# Altium PCB PCB.PcbDoc (part 6 of 11)
Units mm, origin at the board's own origin, x right, y up, seen from the top; angles counter-clockwise.
Board outline 134.62 x 134.62 mm, 2 copper layers (Top Layer, Bottom Layer); 223 components, 326 nets, 5222 pads, 379 vias.
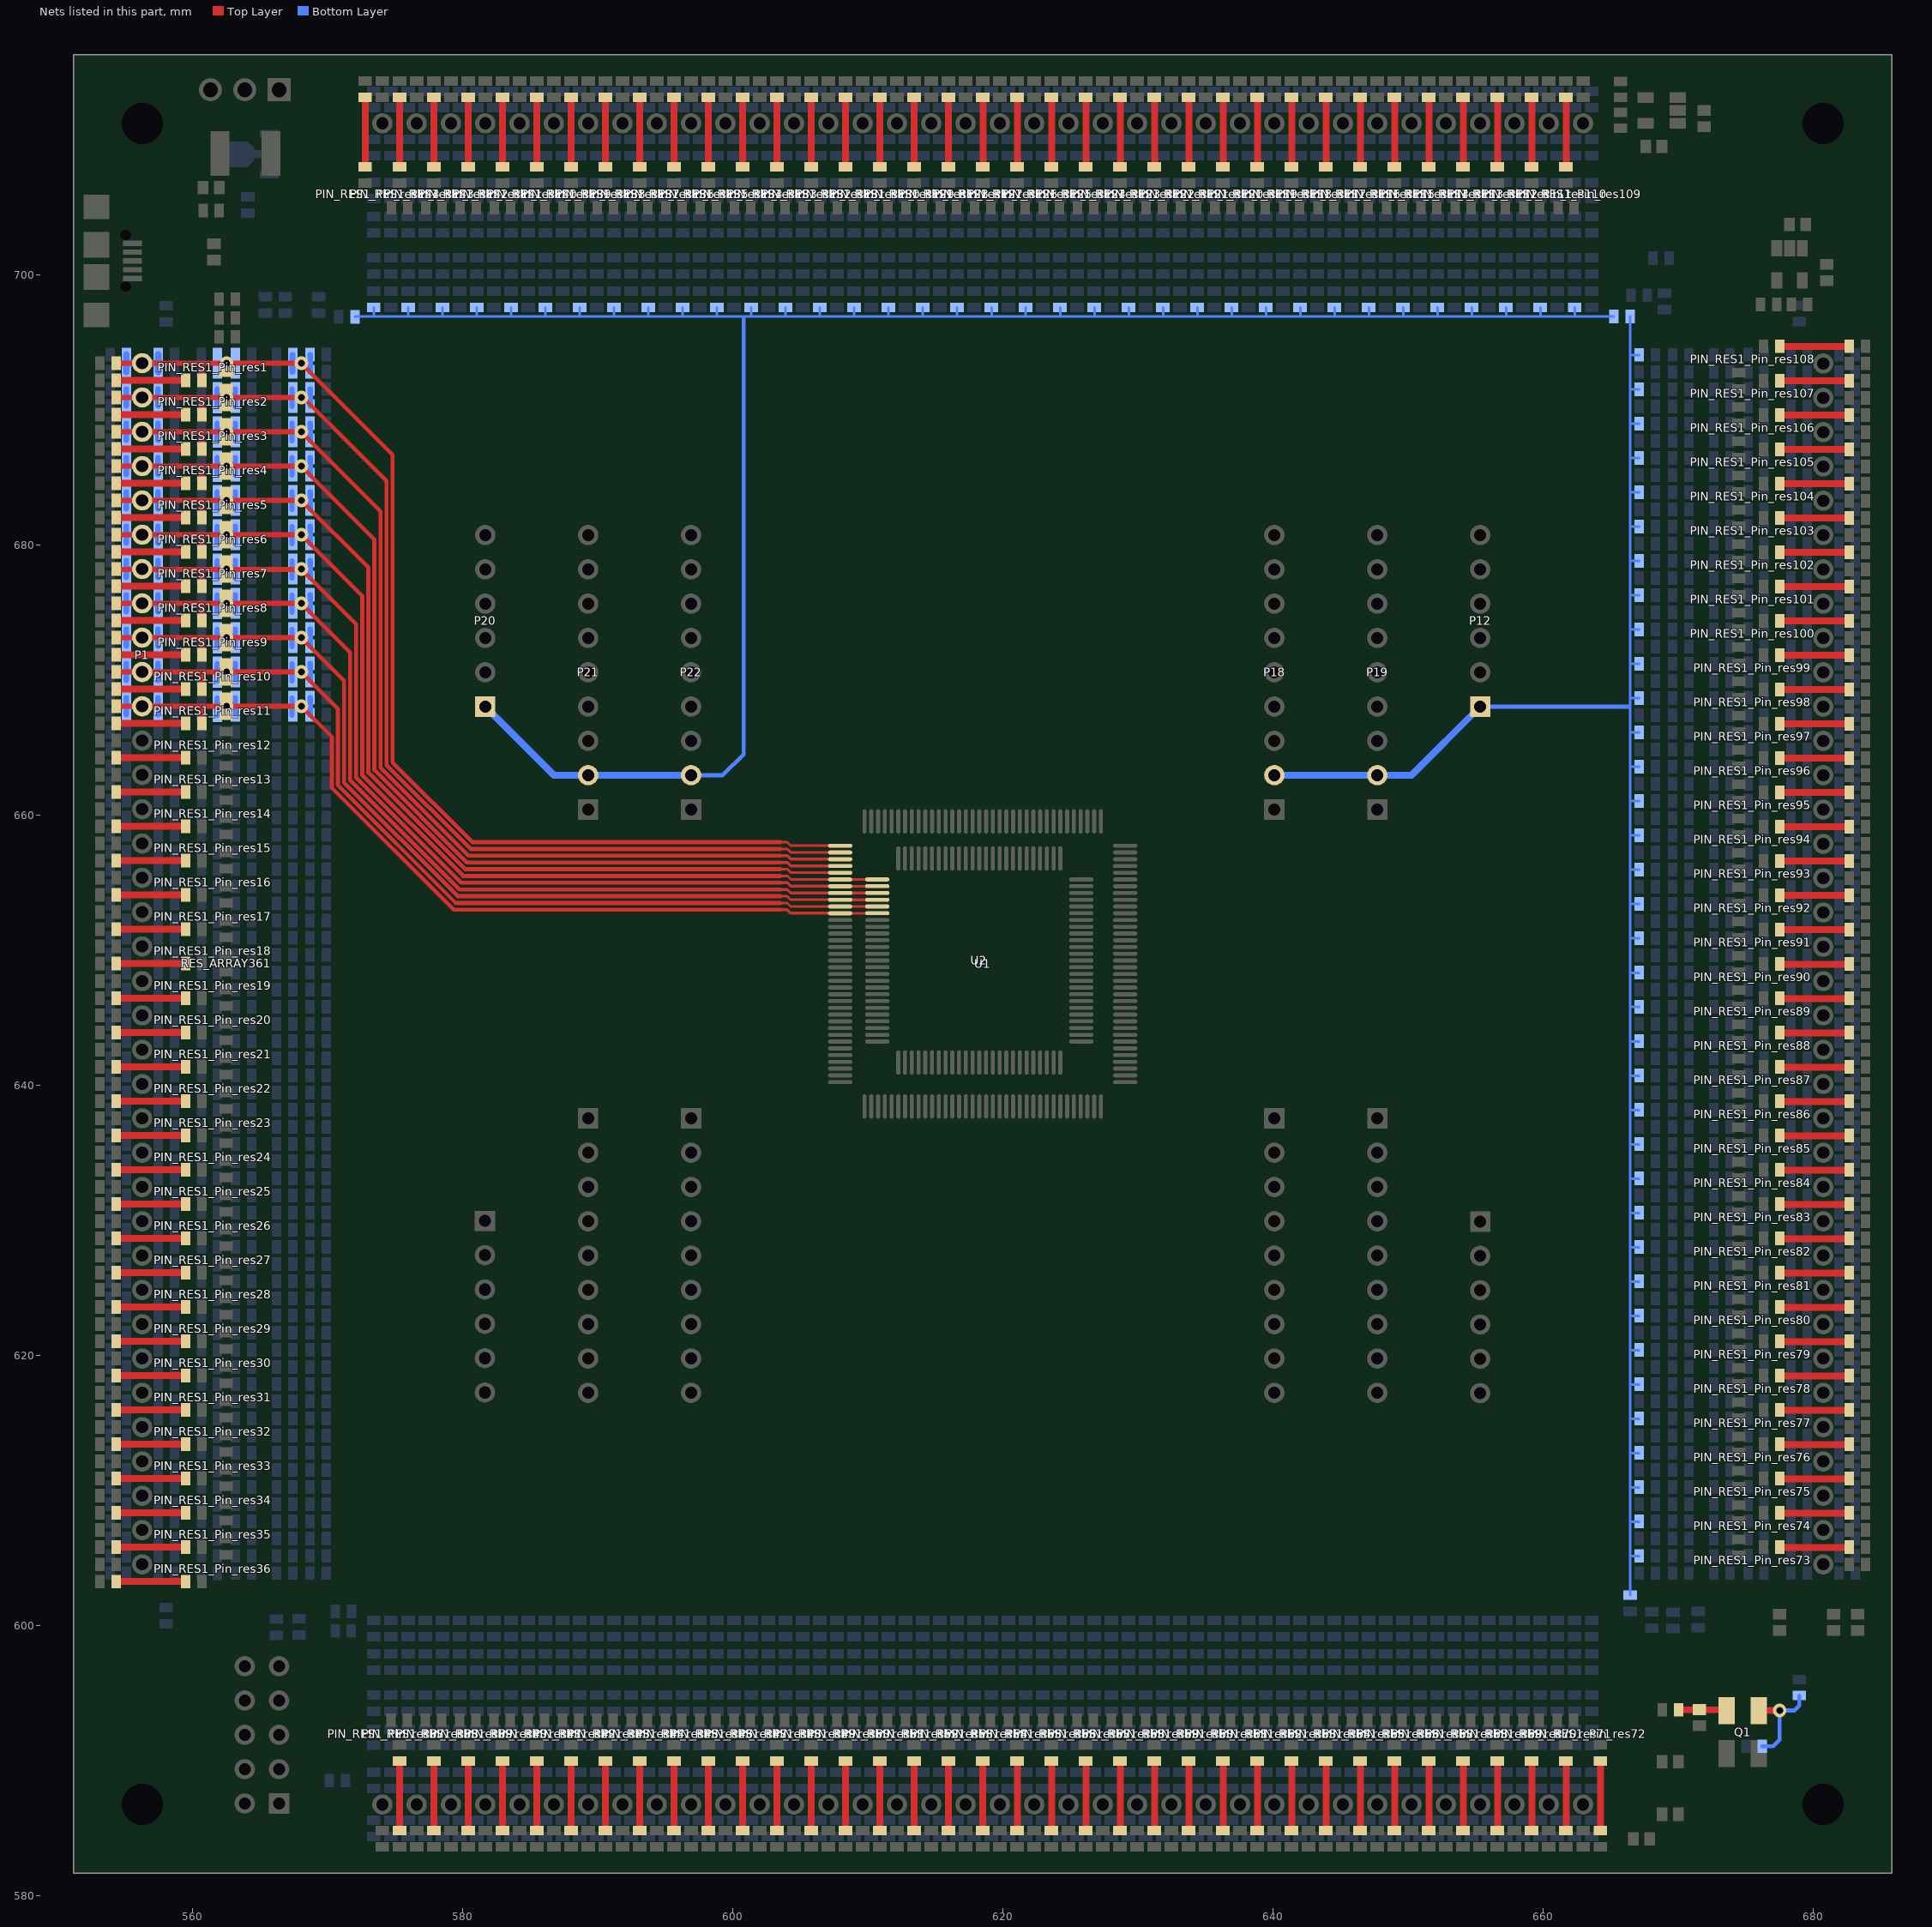
[diagram p6: the nets of this part, all layers, seen from the top]

## Via types
v1: diameter 1, hole 0.5, Top Layer to Bottom Layer, 322 vias
v2: diameter 1, hole 0.5, Top Layer to Bottom Layer, tented both sides, 57 vias

## Nets (pads, with @x,y where several pads share a name; then routed paths per layer and width w, separated by ;. In a path a pad name is that pad's centre, name@x,y a point inside that pad or via, vN(x,y) a via of type N, cw(c..) or ccw(c..) an arc to the next point about the centre after c; other vN are vias at no path point) (continued)
IO9_2: P12.1 P18.2 P19.2 PIN_RES1_Pin_res73.13 PIN_RES1_Pin_res74.13 PIN_RES1_Pin_res75.13 PIN_RES1_Pin_res76.13 PIN_RES1_Pin_res77.13 PIN_RES1_Pin_res78.13 PIN_RES1_Pin_res79.13 PIN_RES1_Pin_res80.13 PIN_RES1_Pin_res81.13 PIN_RES1_Pin_res82.13 PIN_RES1_Pin_res83.13 PIN_RES1_Pin_res84.13 PIN_RES1_Pin_res85.13 PIN_RES1_Pin_res86.13 PIN_RES1_Pin_res87.13 PIN_RES1_Pin_res88.13 PIN_RES1_Pin_res89.13 PIN_RES1_Pin_res90.13 PIN_RES1_Pin_res91.13 PIN_RES1_Pin_res92.13 PIN_RES1_Pin_res93.13 PIN_RES1_Pin_res94.13 PIN_RES1_Pin_res95.13 PIN_RES1_Pin_res96.13 PIN_RES1_Pin_res97.13 PIN_RES1_Pin_res98.13 PIN_RES1_Pin_res99.13 PIN_RES1_Pin_res100.13 PIN_RES1_Pin_res101.13 PIN_RES1_Pin_res102.13 PIN_RES1_Pin_res103.13 PIN_RES1_Pin_res104.13 PIN_RES1_Pin_res105.13 PIN_RES1_Pin_res106.13 PIN_RES1_Pin_res107.13 PIN_RES1_Pin_res108.13 R13.1 R20.1 | length 147.3
  Bottom Layer w0.2: R20.1@666.41,696.9 666.42,696.89 666.42,694.055 ; R13.1@666.42,602.25 666.42,605.13 ; PIN_RES1_Pin_res73.13@667.09,605.13 666.42,605.13 ; PIN_RES1_Pin_res74.13@667.09,607.67 666.42,607.67 ; PIN_RES1_Pin_res75.13@667.09,610.21 666.445,610.21 666.42,610.184 ; PIN_RES1_Pin_res76.13@667.09,612.75 666.42,612.75 ; PIN_RES1_Pin_res77.13@667.09,615.29 666.445,615.29 666.42,615.264 ; PIN_RES1_Pin_res78.13@667.09,617.83 666.42,617.83 ; PIN_RES1_Pin_res79.13@667.09,620.37 666.42,620.37 ; PIN_RES1_Pin_res80.13@667.09,622.91 666.42,622.91 ; PIN_RES1_Pin_res81.13@667.09,625.45 666.42,625.45 ; PIN_RES1_Pin_res82.13@667.09,627.99 666.42,627.99 ; PIN_RES1_Pin_res83.13@667.09,630.53 666.445,630.53 666.42,630.555 ; PIN_RES1_Pin_res84.13@667.09,633.07 666.42,633.07 ; PIN_RES1_Pin_res85.13@667.09,635.61 666.445,635.61 666.42,635.635 ; PIN_RES1_Pin_res86.13@667.09,638.15 666.42,638.15 ; PIN_RES1_Pin_res87.13@667.09,640.69 666.42,640.69 ; PIN_RES1_Pin_res88.13@667.09,643.23 666.445,643.23 666.42,643.204 ; PIN_RES1_Pin_res89.13@667.09,645.77 667.064,645.795 666.42,645.795 ; PIN_RES1_Pin_res90.13@667.09,648.31 666.42,648.31 ; PIN_RES1_Pin_res91.13@667.09,650.875 666.42,650.875 ; PIN_RES1_Pin_res92.13@667.09,653.415 666.42,653.415 ; PIN_RES1_Pin_res93.13@667.09,655.955 666.42,655.955 ; PIN_RES1_Pin_res94.13@667.09,658.495 666.42,658.495 ; PIN_RES1_Pin_res95.13@667.09,661.035 666.42,661.035 ; PIN_RES1_Pin_res96.13@667.09,663.575 666.42,663.575 ; PIN_RES1_Pin_res97.13@667.09,666.115 666.42,666.115 ; PIN_RES1_Pin_res98.13@667.09,668.655 666.42,668.655 ; PIN_RES1_Pin_res99.13@667.09,671.195 666.42,671.195 ; PIN_RES1_Pin_res100.13@667.09,673.735 666.42,673.735 ; PIN_RES1_Pin_res101.13@667.09,676.275 666.445,676.275 666.42,676.25 ; PIN_RES1_Pin_res102.13@667.09,678.815 666.42,678.815 ; PIN_RES1_Pin_res103.13@667.09,681.355 666.42,681.355 ; PIN_RES1_Pin_res104.13@667.09,683.895 666.42,683.895 ; PIN_RES1_Pin_res105.13@667.09,686.435 666.445,686.435 666.42,686.41 ; PIN_RES1_Pin_res106.13@667.09,688.975 666.42,688.975 ; PIN_RES1_Pin_res107.13@667.09,691.515 666.42,691.515 ; PIN_RES1_Pin_res108.13@667.09,694.055 666.42,694.055 ; 666.42,605.13 666.42,607.67 ; 666.42,607.67 666.42,610.184 ; 666.42,610.184 666.42,612.75 ; 666.42,612.75 666.42,615.264 ; 666.42,615.264 666.42,617.83 ; 666.42,617.83 666.42,620.37 ; 666.42,620.37 666.42,622.91 ; 666.42,622.91 666.42,625.45 ; 666.42,625.45 666.42,627.99 ; 666.42,627.99 666.42,630.555 ; 666.42,630.555 666.42,633.07 ; 666.42,633.07 666.42,635.635 ; 666.42,635.635 666.42,638.15 ; 666.42,638.15 666.42,640.69 ; 666.42,640.69 666.42,643.204 ; 666.42,643.204 666.42,645.795 ; 666.42,645.795 666.42,648.31 ; 666.42,648.31 666.42,650.875 ; 666.42,650.875 666.42,653.415 ; 666.42,653.415 666.42,655.955 ; 666.42,655.955 666.42,658.495 ; 666.42,658.495 666.42,661.035 ; 666.42,661.035 666.42,663.575 ; 666.42,663.575 666.42,666.115 ; 666.42,666.115 666.42,668.655 ; 666.42,668.655 666.42,671.195 ; 666.42,671.195 666.42,673.735 ; 666.42,673.735 666.42,676.25 ; 666.42,676.25 666.42,678.815 ; 666.42,678.815 666.42,681.355 ; 666.42,681.355 666.42,683.895 ; 666.42,683.895 666.42,686.41 ; 666.42,686.41 666.42,688.975 ; 666.42,688.975 666.42,691.515 ; 666.42,691.515 666.42,694.055
  Bottom Layer w0.3: P12.1@655.32,668.02 666.318,668.02
  Bottom Layer w0.5: P18.2@640.08,662.94 P19.2@647.7,662.94 650.24,662.94 655.295,667.995 655.295,668.045 P12.1@655.32,668.02
IO9_3: P20.1 P21.2 P22.2 PIN_RES1_Pin_res109.13 PIN_RES1_Pin_res110.13 PIN_RES1_Pin_res111.13 PIN_RES1_Pin_res112.13 PIN_RES1_Pin_res113.13 PIN_RES1_Pin_res114.13 PIN_RES1_Pin_res115.13 PIN_RES1_Pin_res116.13 PIN_RES1_Pin_res117.13 PIN_RES1_Pin_res118.13 PIN_RES1_Pin_res119.13 PIN_RES1_Pin_res120.13 PIN_RES1_Pin_res121.13 PIN_RES1_Pin_res122.13 PIN_RES1_Pin_res123.13 PIN_RES1_Pin_res124.13 PIN_RES1_Pin_res125.13 PIN_RES1_Pin_res126.13 PIN_RES1_Pin_res127.13 PIN_RES1_Pin_res128.13 PIN_RES1_Pin_res129.13 PIN_RES1_Pin_res130.13 PIN_RES1_Pin_res131.13 PIN_RES1_Pin_res132.13 PIN_RES1_Pin_res133.13 PIN_RES1_Pin_res134.13 PIN_RES1_Pin_res135.13 PIN_RES1_Pin_res136.13 PIN_RES1_Pin_res137.13 PIN_RES1_Pin_res138.13 PIN_RES1_Pin_res139.13 PIN_RES1_Pin_res140.13 PIN_RES1_Pin_res141.13 PIN_RES1_Pin_res142.13 PIN_RES1_Pin_res143.13 PIN_RES1_Pin_res144.13 R20.2 R21.2 | length 171.6
  Bottom Layer w0.2: R21.2@572.024,696.874 572.049,696.9 573.405,696.9 ; PIN_RES1_Pin_res144.13@573.405,697.57 573.405,696.9 ; PIN_RES1_Pin_res143.13@575.945,697.57 575.945,696.9 ; PIN_RES1_Pin_res142.13@578.485,697.57 578.485,696.9 ; PIN_RES1_Pin_res141.13@581.025,697.57 581.025,696.925 581.05,696.9 ; PIN_RES1_Pin_res140.13@583.565,697.57 583.565,696.9 ; PIN_RES1_Pin_res139.13@586.105,697.57 586.105,696.9 ; PIN_RES1_Pin_res138.13@588.645,697.57 588.645,696.9 ; PIN_RES1_Pin_res137.13@591.185,697.57 591.185,696.925 591.21,696.9 ; PIN_RES1_Pin_res136.13@593.725,697.57 593.725,696.9 ; PIN_RES1_Pin_res135.13@596.265,697.57 596.265,696.9 ; PIN_RES1_Pin_res134.13@598.805,697.57 598.805,696.9 ; PIN_RES1_Pin_res133.13@601.345,697.57 601.345,696.9 ; PIN_RES1_Pin_res132.13@603.885,697.57 603.885,696.9 ; PIN_RES1_Pin_res131.13@606.425,697.57 606.425,696.9 ; PIN_RES1_Pin_res130.13@608.965,697.57 608.965,696.9 ; PIN_RES1_Pin_res129.13@611.505,697.57 611.505,696.9 ; PIN_RES1_Pin_res128.13@614.045,697.57 614.045,696.9 ; PIN_RES1_Pin_res127.13@616.585,697.57 616.585,696.9 ; PIN_RES1_Pin_res126.13@619.15,697.57 619.15,696.9 ; PIN_RES1_Pin_res125.13@621.69,697.57 621.665,697.544 621.665,696.9 ; PIN_RES1_Pin_res124.13@624.23,697.57 624.23,696.925 624.256,696.9 ; PIN_RES1_Pin_res123.13@626.77,697.57 626.77,696.9 ; PIN_RES1_Pin_res122.13@629.31,697.57 629.31,696.9 ; PIN_RES1_Pin_res121.13@631.85,697.57 631.85,696.925 631.825,696.9 ; PIN_RES1_Pin_res120.13@634.39,697.57 634.39,696.9 ; PIN_RES1_Pin_res119.13@636.93,697.57 636.93,696.925 636.905,696.9 ; PIN_RES1_Pin_res118.13@639.47,697.57 639.47,696.9 ; PIN_RES1_Pin_res117.13@642.01,697.57 642.01,696.9 ; PIN_RES1_Pin_res116.13@644.55,697.57 644.55,696.9 ; PIN_RES1_Pin_res115.13@647.09,697.57 647.09,696.9 ; PIN_RES1_Pin_res114.13@649.63,697.57 649.63,696.9 ; PIN_RES1_Pin_res113.13@652.17,697.57 652.17,696.925 652.196,696.9 ; PIN_RES1_Pin_res112.13@654.71,697.57 654.71,696.9 ; PIN_RES1_Pin_res111.13@657.25,697.57 657.25,696.925 657.276,696.9 ; PIN_RES1_Pin_res110.13@659.79,697.57 659.79,696.9 ; PIN_RES1_Pin_res109.13@662.33,697.57 662.33,696.9 ; R20.2@665.21,696.9 662.33,696.9 ; 573.405,696.9 575.945,696.9 ; 575.945,696.9 578.485,696.9 ; 578.485,696.9 581.05,696.9 ; 581.05,696.9 583.565,696.9 ; 583.565,696.9 586.105,696.9 ; 586.105,696.9 588.645,696.9 ; 588.645,696.9 591.21,696.9 ; 591.21,696.9 593.725,696.9 ; 593.725,696.9 596.265,696.9 ; 596.265,696.9 598.805,696.9 ; 598.805,696.9 601.345,696.9 ; 601.345,696.9 603.885,696.9 ; 603.885,696.9 606.425,696.9 ; 606.425,696.9 608.965,696.9 ; 608.965,696.9 611.505,696.9 ; 611.505,696.9 614.045,696.9 ; 614.045,696.9 616.585,696.9 ; 616.585,696.9 619.15,696.9 ; 619.15,696.9 621.665,696.9 ; 621.665,696.9 624.256,696.9 ; 624.256,696.9 626.77,696.9 ; 626.77,696.9 629.31,696.9 ; 629.31,696.9 631.825,696.9 ; 631.825,696.9 634.39,696.9 ; 634.39,696.9 636.905,696.9 ; 636.905,696.9 639.47,696.9 ; 639.47,696.9 642.01,696.9 ; 642.01,696.9 644.55,696.9 ; 644.55,696.9 647.09,696.9 ; 647.09,696.9 649.63,696.9 ; 649.63,696.9 652.196,696.9 ; 652.196,696.9 654.71,696.9 ; 654.71,696.9 657.276,696.9 ; 657.276,696.9 659.79,696.9 ; 659.79,696.9 662.33,696.9
  Bottom Layer w0.3: P22.2@596.9,662.94 599.237,662.94 600.786,664.489 600.786,696.798
  Bottom Layer w0.5: P20.1@581.66,668.02 586.74,662.94 P21.2@589.28,662.94 P22.2@596.9,662.94
NetC13_1: C13.1 Q1.4 R22.2 | length 3.6
  Top Layer w0.5: R22.2@670.017,593.75 673.506,593.75 Q1.4@673.557,593.699
NetPIN_RES1_Pin_res1_15: PIN_RES1_Pin_res1.15 | length 5.2
  Top Layer w0.5: PIN_RES1_Pin_res1.15@554.32,692.175 PIN_RES1_Pin_res1.15@559.47,692.175
NetPIN_RES1_Pin_res2_15: PIN_RES1_Pin_res2.15 | length 5.2
  Top Layer w0.5: PIN_RES1_Pin_res2.15@554.32,689.635 PIN_RES1_Pin_res2.15@559.47,689.635
NetPIN_RES1_Pin_res3_15: PIN_RES1_Pin_res3.15 | length 5.2
  Top Layer w0.5: PIN_RES1_Pin_res3.15@554.32,687.095 PIN_RES1_Pin_res3.15@559.47,687.095
NetPIN_RES1_Pin_res4_15: PIN_RES1_Pin_res4.15 | length 5.2
  Top Layer w0.5: PIN_RES1_Pin_res4.15@554.32,684.555 PIN_RES1_Pin_res4.15@559.47,684.555
NetPIN_RES1_Pin_res5_15: PIN_RES1_Pin_res5.15 | length 5.2
  Top Layer w0.5: PIN_RES1_Pin_res5.15@554.32,682.015 PIN_RES1_Pin_res5.15@559.47,682.015
NetPIN_RES1_Pin_res6_15: PIN_RES1_Pin_res6.15 | length 5.2
  Top Layer w0.5: PIN_RES1_Pin_res6.15@554.32,679.475 PIN_RES1_Pin_res6.15@559.47,679.475
NetPIN_RES1_Pin_res7_15: PIN_RES1_Pin_res7.15 | length 5.2
  Top Layer w0.5: PIN_RES1_Pin_res7.15@554.32,676.935 PIN_RES1_Pin_res7.15@559.47,676.935
NetPIN_RES1_Pin_res8_15: PIN_RES1_Pin_res8.15 | length 5.2
  Top Layer w0.5: PIN_RES1_Pin_res8.15@554.32,674.395 PIN_RES1_Pin_res8.15@559.47,674.395
NetPIN_RES1_Pin_res9_15: PIN_RES1_Pin_res9.15 | length 5.2
  Top Layer w0.5: PIN_RES1_Pin_res9.15@554.32,671.855 PIN_RES1_Pin_res9.15@559.47,671.855
NetPIN_RES1_Pin_res10_15: PIN_RES1_Pin_res10.15 | length 5.2
  Top Layer w0.5: PIN_RES1_Pin_res10.15@554.32,669.315 PIN_RES1_Pin_res10.15@559.47,669.315
NetPIN_RES1_Pin_res11_15: PIN_RES1_Pin_res11.15 | length 5.2
  Top Layer w0.5: PIN_RES1_Pin_res11.15@554.32,666.775 PIN_RES1_Pin_res11.15@559.47,666.775
NetPIN_RES1_Pin_res12_15: PIN_RES1_Pin_res12.15 | length 5.2
  Top Layer w0.5: PIN_RES1_Pin_res12.15@554.32,664.235 PIN_RES1_Pin_res12.15@559.47,664.235
NetPIN_RES1_Pin_res13_15: PIN_RES1_Pin_res13.15 | length 5.2
  Top Layer w0.5: PIN_RES1_Pin_res13.15@554.32,661.695 PIN_RES1_Pin_res13.15@559.47,661.695
NetPIN_RES1_Pin_res14_15: PIN_RES1_Pin_res14.15 | length 5.2
  Top Layer w0.5: PIN_RES1_Pin_res14.15@554.32,659.155 PIN_RES1_Pin_res14.15@559.47,659.155
NetPIN_RES1_Pin_res15_15: PIN_RES1_Pin_res15.15 | length 5.2
  Top Layer w0.5: PIN_RES1_Pin_res15.15@554.32,656.615 PIN_RES1_Pin_res15.15@559.47,656.615
NetPIN_RES1_Pin_res16_15: PIN_RES1_Pin_res16.15 | length 5.2
  Top Layer w0.5: PIN_RES1_Pin_res16.15@554.32,654.075 PIN_RES1_Pin_res16.15@559.47,654.075
NetPIN_RES1_Pin_res17_15: PIN_RES1_Pin_res17.15 | length 5.2
  Top Layer w0.5: PIN_RES1_Pin_res17.15@554.32,651.535 PIN_RES1_Pin_res17.15@559.47,651.535
NetPIN_RES1_Pin_res18_15: PIN_RES1_Pin_res18.15 | length 5.2
  Top Layer w0.5: PIN_RES1_Pin_res18.15@554.32,648.995 PIN_RES1_Pin_res18.15@559.47,648.995
NetPIN_RES1_Pin_res19_15: PIN_RES1_Pin_res19.15 | length 5.2
  Top Layer w0.5: PIN_RES1_Pin_res19.15@554.32,646.43 PIN_RES1_Pin_res19.15@559.47,646.43
NetPIN_RES1_Pin_res20_15: PIN_RES1_Pin_res20.15 | length 5.2
  Top Layer w0.5: PIN_RES1_Pin_res20.15@554.32,643.89 PIN_RES1_Pin_res20.15@559.47,643.89
NetPIN_RES1_Pin_res21_15: PIN_RES1_Pin_res21.15 | length 5.2
  Top Layer w0.5: PIN_RES1_Pin_res21.15@554.32,641.35 PIN_RES1_Pin_res21.15@559.47,641.35
NetPIN_RES1_Pin_res22_15: PIN_RES1_Pin_res22.15 | length 5.2
  Top Layer w0.5: PIN_RES1_Pin_res22.15@554.32,638.81 PIN_RES1_Pin_res22.15@559.47,638.81
NetPIN_RES1_Pin_res23_15: PIN_RES1_Pin_res23.15 | length 5.2
  Top Layer w0.5: PIN_RES1_Pin_res23.15@554.32,636.27 PIN_RES1_Pin_res23.15@559.47,636.27
NetPIN_RES1_Pin_res24_15: PIN_RES1_Pin_res24.15 | length 5.2
  Top Layer w0.5: PIN_RES1_Pin_res24.15@554.32,633.73 PIN_RES1_Pin_res24.15@559.47,633.73
NetPIN_RES1_Pin_res25_15: PIN_RES1_Pin_res25.15 | length 5.2
  Top Layer w0.5: PIN_RES1_Pin_res25.15@554.32,631.19 PIN_RES1_Pin_res25.15@559.47,631.19
NetPIN_RES1_Pin_res26_15: PIN_RES1_Pin_res26.15 | length 5.2
  Top Layer w0.5: PIN_RES1_Pin_res26.15@554.32,628.65 PIN_RES1_Pin_res26.15@559.47,628.65
NetPIN_RES1_Pin_res27_15: PIN_RES1_Pin_res27.15 | length 5.2
  Top Layer w0.5: PIN_RES1_Pin_res27.15@554.32,626.11 PIN_RES1_Pin_res27.15@559.47,626.11
NetPIN_RES1_Pin_res28_15: PIN_RES1_Pin_res28.15 | length 5.2
  Top Layer w0.5: PIN_RES1_Pin_res28.15@554.32,623.57 PIN_RES1_Pin_res28.15@559.47,623.57
NetPIN_RES1_Pin_res29_15: PIN_RES1_Pin_res29.15 | length 5.2
  Top Layer w0.5: PIN_RES1_Pin_res29.15@554.32,621.03 PIN_RES1_Pin_res29.15@559.47,621.03
NetPIN_RES1_Pin_res30_15: PIN_RES1_Pin_res30.15 | length 5.2
  Top Layer w0.5: PIN_RES1_Pin_res30.15@554.32,618.49 PIN_RES1_Pin_res30.15@559.47,618.49
NetPIN_RES1_Pin_res31_15: PIN_RES1_Pin_res31.15 | length 5.2
  Top Layer w0.5: PIN_RES1_Pin_res31.15@554.32,615.95 PIN_RES1_Pin_res31.15@559.47,615.95
NetPIN_RES1_Pin_res32_15: PIN_RES1_Pin_res32.15 | length 5.2
  Top Layer w0.5: PIN_RES1_Pin_res32.15@554.32,613.41 PIN_RES1_Pin_res32.15@559.47,613.41
NetPIN_RES1_Pin_res33_15: PIN_RES1_Pin_res33.15 | length 5.2
  Top Layer w0.5: PIN_RES1_Pin_res33.15@554.32,610.87 PIN_RES1_Pin_res33.15@559.47,610.87
NetPIN_RES1_Pin_res34_15: PIN_RES1_Pin_res34.15 | length 5.2
  Top Layer w0.5: PIN_RES1_Pin_res34.15@554.32,608.33 PIN_RES1_Pin_res34.15@559.47,608.33
NetPIN_RES1_Pin_res35_15: PIN_RES1_Pin_res35.15 | length 5.2
  Top Layer w0.5: PIN_RES1_Pin_res35.15@554.32,605.79 PIN_RES1_Pin_res35.15@559.47,605.79
NetPIN_RES1_Pin_res36_15: PIN_RES1_Pin_res36.15 | length 5.2
  Top Layer w0.5: PIN_RES1_Pin_res36.15@554.32,603.25 PIN_RES1_Pin_res36.15@559.47,603.25
NetPIN_RES1_Pin_res37_15: PIN_RES1_Pin_res37.15 | length 5.2
  Top Layer w0.5: PIN_RES1_Pin_res37.15@575.31,584.749 PIN_RES1_Pin_res37.15@575.31,589.899
NetPIN_RES1_Pin_res38_15: PIN_RES1_Pin_res38.15 | length 5.2
  Top Layer w0.5: PIN_RES1_Pin_res38.15@577.85,584.749 PIN_RES1_Pin_res38.15@577.85,589.899
NetPIN_RES1_Pin_res39_15: PIN_RES1_Pin_res39.15 | length 5.2
  Top Layer w0.5: PIN_RES1_Pin_res39.15@580.39,584.749 PIN_RES1_Pin_res39.15@580.39,589.899
NetPIN_RES1_Pin_res40_15: PIN_RES1_Pin_res40.15 | length 5.2
  Top Layer w0.5: PIN_RES1_Pin_res40.15@582.93,584.749 PIN_RES1_Pin_res40.15@582.93,589.899
NetPIN_RES1_Pin_res41_15: PIN_RES1_Pin_res41.15 | length 5.2
  Top Layer w0.5: PIN_RES1_Pin_res41.15@585.47,584.749 PIN_RES1_Pin_res41.15@585.47,589.899
NetPIN_RES1_Pin_res42_15: PIN_RES1_Pin_res42.15 | length 5.2
  Top Layer w0.5: PIN_RES1_Pin_res42.15@588.01,584.749 PIN_RES1_Pin_res42.15@588.01,589.899
NetPIN_RES1_Pin_res43_15: PIN_RES1_Pin_res43.15 | length 5.2
  Top Layer w0.5: PIN_RES1_Pin_res43.15@590.55,584.749 PIN_RES1_Pin_res43.15@590.55,589.899
NetPIN_RES1_Pin_res44_15: PIN_RES1_Pin_res44.15 | length 5.2
  Top Layer w0.5: PIN_RES1_Pin_res44.15@593.09,584.749 PIN_RES1_Pin_res44.15@593.09,589.899
NetPIN_RES1_Pin_res45_15: PIN_RES1_Pin_res45.15 | length 5.2
  Top Layer w0.5: PIN_RES1_Pin_res45.15@595.63,584.749 PIN_RES1_Pin_res45.15@595.63,589.899
NetPIN_RES1_Pin_res46_15: PIN_RES1_Pin_res46.15 | length 5.2
  Top Layer w0.5: PIN_RES1_Pin_res46.15@598.17,584.749 PIN_RES1_Pin_res46.15@598.17,589.899
NetPIN_RES1_Pin_res47_15: PIN_RES1_Pin_res47.15 | length 5.2
  Top Layer w0.5: PIN_RES1_Pin_res47.15@600.71,584.749 PIN_RES1_Pin_res47.15@600.71,589.899
NetPIN_RES1_Pin_res48_15: PIN_RES1_Pin_res48.15 | length 5.2
  Top Layer w0.5: PIN_RES1_Pin_res48.15@603.25,584.749 PIN_RES1_Pin_res48.15@603.25,589.899
NetPIN_RES1_Pin_res49_15: PIN_RES1_Pin_res49.15 | length 5.2
  Top Layer w0.5: PIN_RES1_Pin_res49.15@605.79,584.749 PIN_RES1_Pin_res49.15@605.79,589.899
NetPIN_RES1_Pin_res50_15: PIN_RES1_Pin_res50.15 | length 5.2
  Top Layer w0.5: PIN_RES1_Pin_res50.15@608.33,584.749 PIN_RES1_Pin_res50.15@608.33,589.899
NetPIN_RES1_Pin_res51_15: PIN_RES1_Pin_res51.15 | length 5.2
  Top Layer w0.5: PIN_RES1_Pin_res51.15@610.87,584.749 PIN_RES1_Pin_res51.15@610.87,589.899
NetPIN_RES1_Pin_res52_15: PIN_RES1_Pin_res52.15 | length 5.2
  Top Layer w0.5: PIN_RES1_Pin_res52.15@613.41,584.749 PIN_RES1_Pin_res52.15@613.41,589.899
NetPIN_RES1_Pin_res53_15: PIN_RES1_Pin_res53.15 | length 5.2
  Top Layer w0.5: PIN_RES1_Pin_res53.15@615.95,584.749 PIN_RES1_Pin_res53.15@615.95,589.899
NetPIN_RES1_Pin_res54_15: PIN_RES1_Pin_res54.15 | length 5.2
  Top Layer w0.5: PIN_RES1_Pin_res54.15@618.49,584.749 PIN_RES1_Pin_res54.15@618.49,589.899
NetPIN_RES1_Pin_res55_15: PIN_RES1_Pin_res55.15 | length 5.2
  Top Layer w0.5: PIN_RES1_Pin_res55.15@621.055,584.749 PIN_RES1_Pin_res55.15@621.055,589.899
NetPIN_RES1_Pin_res56_15: PIN_RES1_Pin_res56.15 | length 5.2
  Top Layer w0.5: PIN_RES1_Pin_res56.15@623.595,584.749 PIN_RES1_Pin_res56.15@623.595,589.899
NetPIN_RES1_Pin_res57_15: PIN_RES1_Pin_res57.15 | length 5.2
  Top Layer w0.5: PIN_RES1_Pin_res57.15@626.135,584.749 PIN_RES1_Pin_res57.15@626.135,589.899
NetPIN_RES1_Pin_res58_15: PIN_RES1_Pin_res58.15 | length 5.2
  Top Layer w0.5: PIN_RES1_Pin_res58.15@628.675,584.749 PIN_RES1_Pin_res58.15@628.675,589.899
NetPIN_RES1_Pin_res59_15: PIN_RES1_Pin_res59.15 | length 5.2
  Top Layer w0.5: PIN_RES1_Pin_res59.15@631.215,584.749 PIN_RES1_Pin_res59.15@631.215,589.899
NetPIN_RES1_Pin_res60_15: PIN_RES1_Pin_res60.15 | length 5.2
  Top Layer w0.5: PIN_RES1_Pin_res60.15@633.755,584.749 PIN_RES1_Pin_res60.15@633.755,589.899
NetPIN_RES1_Pin_res61_15: PIN_RES1_Pin_res61.15 | length 5.2
  Top Layer w0.5: PIN_RES1_Pin_res61.15@636.295,584.749 PIN_RES1_Pin_res61.15@636.295,589.899
NetPIN_RES1_Pin_res62_15: PIN_RES1_Pin_res62.15 | length 5.2
  Top Layer w0.5: PIN_RES1_Pin_res62.15@638.835,584.749 PIN_RES1_Pin_res62.15@638.835,589.899
NetPIN_RES1_Pin_res63_15: PIN_RES1_Pin_res63.15 | length 5.2
  Top Layer w0.5: PIN_RES1_Pin_res63.15@641.375,584.749 PIN_RES1_Pin_res63.15@641.375,589.899
NetPIN_RES1_Pin_res64_15: PIN_RES1_Pin_res64.15 | length 5.2
  Top Layer w0.5: PIN_RES1_Pin_res64.15@643.915,584.749 PIN_RES1_Pin_res64.15@643.915,589.899
NetPIN_RES1_Pin_res65_15: PIN_RES1_Pin_res65.15 | length 5.2
  Top Layer w0.5: PIN_RES1_Pin_res65.15@646.455,584.749 PIN_RES1_Pin_res65.15@646.455,589.899
NetPIN_RES1_Pin_res66_15: PIN_RES1_Pin_res66.15 | length 5.2
  Top Layer w0.5: PIN_RES1_Pin_res66.15@648.995,584.749 PIN_RES1_Pin_res66.15@648.995,589.899
NetPIN_RES1_Pin_res67_15: PIN_RES1_Pin_res67.15 | length 5.2
  Top Layer w0.5: PIN_RES1_Pin_res67.15@651.535,584.749 PIN_RES1_Pin_res67.15@651.535,589.899